# KiCad board Video Timer.kicad_pcb (continued)
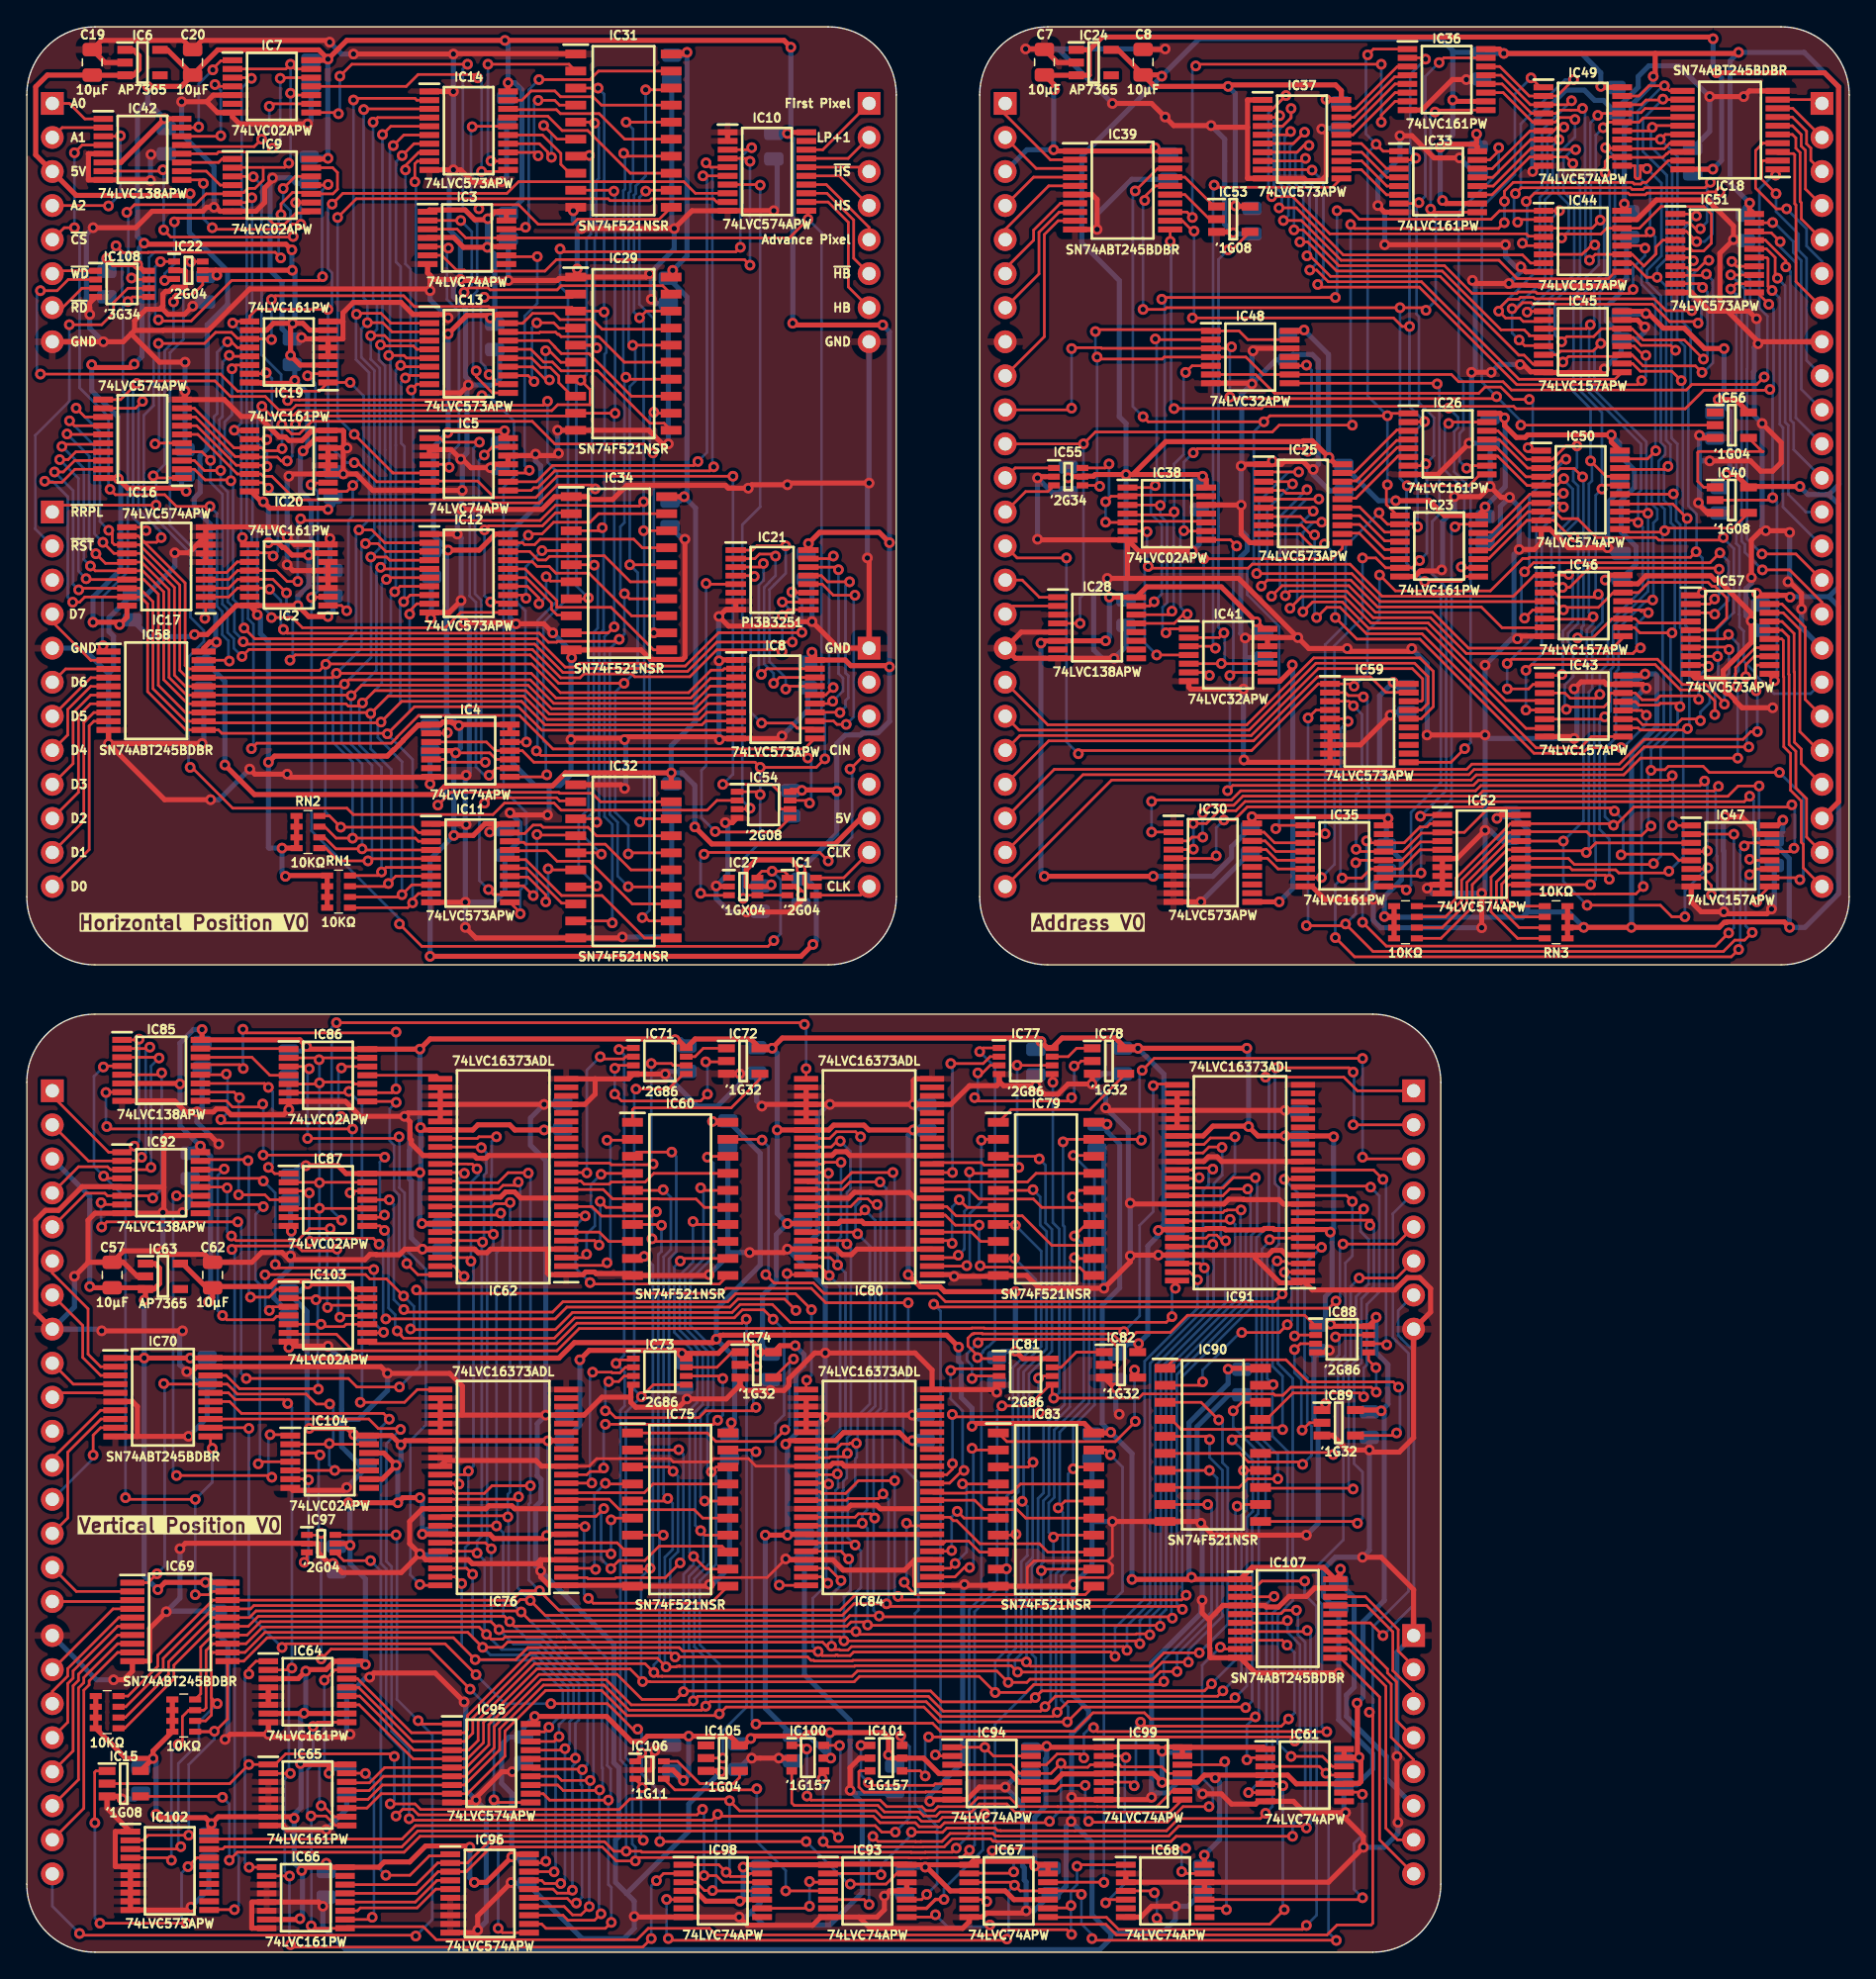
[diagram p0: board, top side]
## Routing (per net, layer and track width the routed paths; a pad name or vN(x,y) marks a point on that pad's centre or on a via; arc(x,y) is an arc through that point) (continued)
  Bottom w0.2: v1(42.8,66.8) 41.8,65.8 v1(41.8,58.14)
/Vertical Position/Sync Start D9: length 16.7
  Top w0.2: 49.22,66.16 48.24,66.16 48.1,66.3 v1(46.61,66.3) ; v1(46.75,58.8) 46.69,58.75 43.62,58.75 43.5,58.87 40.32,58.87
  Bottom w0.2: v1(46.61,66.3) 46.61,58.94 v1(46.75,58.8)
/Vertical Position/TC_{0123}: length 13.8
  Top w0.2: v1(21.97,10.92) 22.13,10.92 22.95,10.1 23.88,10.1 ; v1(22.21,20.29) 22.23,20.29 22.99,21.06 23.88,21.06
  Bottom w0.2: v1(21.97,10.92) 21.84,11.05 21.84,13.94 22.21,14.31 v1(22.21,20.29)
/Vertical Position/TC_{4567}: length 14.5
  Top w0.2: IC66.10 25.62,2.44 v1(25.78,2.6) ; 23.88,13.35 25.26,13.35 v1(25.27,13.33)
  Bottom w0.2: v1(25.78,2.6) 25.91,2.73 25.91,12.7 v1(25.27,13.33)
/Vertical Position/Vertical Blank: length 28.3
  Top w0.2: v1(82.65,12.42) 82.38,12.68 80.37,12.68 ; v1(94.06,22.91) 93.7,23.27 IC107.8 ; v1(94.17,17.4) 93.63,16.86 83.43,16.86 v1(83.13,17.16)
  Bottom w0.2: v1(94.06,22.91) 94.62,22.36 94.62,17.84 v1(94.17,17.4) ; v1(83.13,17.16) 82.78,16.81 82.78,12.54 v1(82.65,12.42)
/Vertical Position/Vertical Blank _{OUT}: length 17.9
  Top w0.2: J7.7 102.3,8.38 101.44,9.25 101.44,19.83 98.65,22.62 IC107.12
/Vertical Position/Vertical Sync: length 34.4
  Top w0.2: 86.25,12.03 85.5,12.03 84.32,10.85 79.91,10.85 79.9,10.86 78.59,10.86 78.59,10.86 76.94,10.86 76.94,10.86 74.04,10.86 73.39,11.51 70.99,11.51 70.33,10.86 68.01,10.86 67.71,10.56 67.11,10.56 66.81,10.86 64.18,10.86 63.69,11.35 58.53,11.35 v1(58.23,11.65) ; IC100.1 57.94,15.43 v1(58.21,15.16)
  Bottom w0.2: v1(58.21,15.16) 58.23,15.14 v1(58.23,11.65)
/Vertical Position/Vertical Sync _{OUT}: length 31.3
  Top w0.2: 97.66,24.57 100.27,24.57 v1(101.22,23.62)
  Bottom w0.2: v1(101.22,23.62) 103.52,25.93 103.52,44.84 102.6,45.76 102.6,45.77 102.35,46.01 102.35,47.87 J12.7
/Vertical Position/Vertical Sync _{SEL}: length 62.8
  Top w0.2: v1(59.37,12.95) 59.49,13.08 IC100.4 ; v1(59.44,8.25) 59.83,7.86 66.16,7.86 66.18,7.85 66.89,7.85 66.9,7.86 68.48,7.86 69.08,8.46 71.94,8.46 72.13,8.27 72.35,8.27 72.36,8.26 85.39,8.26 85.78,8.65 v1(94.47,8.65) ; 90.6,25.26 93.62,25.26 93.87,25.51 v1(94.76,25.51)
  Bottom w0.2: v1(94.47,8.65) 94.47,9.51 95.41,10.45 95.41,23.13 94.86,23.68 94.86,25.4 v1(94.76,25.51) ; v1(59.37,12.95) 59.44,12.89 v1(59.44,8.25)
/Vertical Position/Write Back Porch End High: length 48
  Top w0.2: IC84.25 58.16,42.63 v1(58.2,42.67) ; v1(58.57,47.93) 57.37,49.13 52.91,49.13 52.31,48.52 40.02,48.52 39.24,47.75 28.33,47.75 v1(28.14,47.94) ; IC87.11 v1(27.05,56.13)
  Bottom w0.2: v1(28.14,47.94) 27.39,48.69 27.39,55.79 v1(27.05,56.13) ; v1(58.2,42.67) 58.57,43.03 v1(58.57,47.93)
/Vertical Position/Write Back Porch End High ~{CS}: length 28.4
  Top w0.2: v1(24.13,56.66) 24.26,56.78 IC87.12 ; v1(5.91,64.13) 5.93,64.16 7.11,64.16 ; v1(24.32,61.42) 6.15,61.42 v1(5.97,61.59)
  Bottom w0.2: v1(24.13,56.66) 24.26,56.78 24.26,61.36 v1(24.32,61.42) ; v1(5.97,61.59) 5.91,61.66 v1(5.91,64.13)
/Vertical Position/Write Back Porch End Low: length 61.4
  Top w0.2: v1(56.16,27.38) 56.18,27.37 IC84.48 ; v1(26.69,53.85) 26.36,54.18 IC87.8 ; v1(27.65,46.35) 27.95,46.05 27.95,45.98 28.13,45.8 39.37,45.8 40.89,47.33 52.81,47.33 53.41,47.93 55,47.93 v1(55.7,47.22)
  Bottom w0.2: v1(56.16,27.38) 55.88,27.67 55.88,39.45 56.52,40.09 56.52,43.96 56.52,43.96 56.52,44.14 56.52,44.14 56.52,46.4 v1(55.7,47.22) ; v1(26.69,53.85) 26.99,53.55 26.99,48.06 27.49,47.56 27.49,46.5 v1(27.65,46.35)
/Vertical Position/Write Back Porch End Low ~{CS}: length 23.9
  Top w0.2: v1(17.61,63.27) 17.39,63.05 15.35,63.05 14.89,63.51 IC85.9 ; v1(17.64,59.47) 26.56,59.47 v1(26.71,59.31) ; IC87.9 26.54,54.83 v1(26.69,54.99)
  Bottom w0.2: v1(17.61,63.27) 17.65,63.23 17.65,59.48 v1(17.64,59.47) ; v1(26.69,54.99) 26.35,55.33 26.35,58.95 v1(26.71,59.31)
/Vertical Position/Write Back Porch Start High: length 58.2
  Top w0.2: v1(58.17,65.91) 58.17,65.15 ; v1(58.04,69.21) 57.91,69.34 v1(23.11,69.34) ; 19.64,54.74 23.37,54.74 v1(23.5,54.61)
  Bottom w0.2: v1(23.5,54.61) 22.75,55.35 22.75,68.98 v1(23.11,69.34) ; v1(58.17,65.91) 58.17,69.09 v1(58.04,69.21)
/Vertical Position/Write Back Porch Start High ~{CS}: length 14.2
  Top w0.2: v1(15.88,63.75) 15.47,64.16 IC85.10 ; v1(15.81,56.5) 17.77,56.5 18.13,56.13 IC87.4
  Bottom w0.2: v1(15.81,56.5) 15.81,63.69 v1(15.88,63.75)
/Vertical Position/Write Back Porch Start Low: length 52.5
  Top w0.2: v1(26.29,52.82) 25.86,53.25 21.5,53.25 21.27,53.02 v1(21.13,53.02) ; v1(57.4,47.88) 56.56,48.73 53.07,48.73 52.47,48.12 40.31,48.12 39.43,47.24 v1(26.79,47.24) ; IC87.3 20.94,56.78 v1(21.08,56.64) ; IC80.48 56.82,50.55 v1(56.74,50.63)
  Bottom w0.2: v1(57.4,47.88) 56.74,48.54 v1(56.74,50.63) ; v1(26.29,52.82) 26.59,52.52 26.59,47.44 v1(26.79,47.24) ; v1(21.13,53.02) 21.08,53.08 v1(21.08,56.64)
/Vertical Position/Write Back Porch Start Low ~{CS}: length 13.1
  Top w0.2: v1(18.03,64.52) 17.74,64.81 IC85.11 ; IC87.1 18.5,58.08 v1(18.03,58.55)
  Bottom w0.2: v1(18.03,58.55) 18.35,58.87 18.35,64.2 v1(18.03,64.52)
/Vertical Position/Write Flags: length 66.9
  Top w0.2: v1(23.15,52.45) 23.02,52.32 20.54,52.32 20.18,52.69 15.56,52.69 v1(15.3,52.43) ; IC103.11 23.49,47.5 v1(23.37,47.37) ; v1(15.49,3.17) 13.64,3.17
  Bottom w0.2: v1(15.49,3.17) 15.81,3.49 15.81,7.15 15.51,7.45 15.51,52.22 v1(15.3,52.43) ; v1(23.37,47.37) 23.24,47.5 23.24,52.36 v1(23.15,52.45)
/Vertical Position/Write Flags ~{CS}: length 22.5
  Top w0.2: IC92.12 14.89,57.08 v1(14.95,57.02) ; v1(15.27,53.43) 15.62,53.09 20.21,53.09 21.09,53.97 v1(22.64,53.97) ; v1(22.44,48.1) 22.61,48.26 25.3,48.26
  Bottom w0.2: v1(15.27,53.43) 14.95,53.75 v1(14.95,57.02) ; v1(22.64,53.97) 22.42,53.75 22.42,48.12 v1(22.44,48.1)
/Vertical Position/Write Front Porch Start High: length 34.6
  Top w0.2: v1(24.04,64.21) 23.95,64.12 IC86.6 ; IC76.25 29.15,41.97 28.19,41.02 v1(24.89,41.02)
  Bottom w0.2: v1(24.89,41.02) 25.02,41.15 25.02,63.24 v1(24.04,64.21)
/Vertical Position/Write Front Porch Start High ~{CS}: length 7.1
  Top w0.2: 12.96,66.76 16.8,66.76 18.15,65.42 IC86.4
/Vertical Position/Write Front Porch Start Low: length 50.3
  Top w0.2: v1(29.34,27.43) 29.4,27.37 IC76.48 ; v1(27.78,60.83) 27.66,60.71 v1(20.95,60.71) ; v1(21.08,65.91) 20.91,66.07 IC86.3
  Bottom w0.2: v1(29.34,27.43) 28.62,28.15 28.62,38.16 29.78,39.32 29.78,50.94 28.19,52.53 28.19,56.64 27.81,57.02 27.81,60.8 v1(27.78,60.83) ; v1(21.08,65.91) 20.95,65.79 v1(20.95,60.71)
/Vertical Position/Write Front Porch Start Low ~{CS}: length 6.5
  Top w0.2: IC85.15 19.5,67.41
/Vertical Position/Write Interrupt High: length 84.6
  Top w0.2: v1(81.88,46.29) 81.64,46.53 71.49,46.53 71.45,46.56 70.54,46.56 70.5,46.53 41.23,46.53 39.57,44.87 24.35,44.87 23.11,46.1 19.64,46.1 ; v1(84.07,64.64) 84.2,64.77 85.79,64.77
  Bottom w0.2: v1(84.07,64.64) 84.07,55.24 83.06,54.23 83.06,47.47 v1(81.88,46.29)
/Vertical Position/Write Interrupt High ~{CS}: length 18.2
  Top w0.2: 19.48,47.44 18.65,47.44 18.39,47.18 14.92,47.18 v1(14.61,47.5) ; IC92.14 14.68,58.38 v1(14.73,58.43)
  Bottom w0.2: v1(14.61,47.5) 14.25,47.85 14.25,57.95 v1(14.73,58.43)
/Vertical Position/Write Interrupt Low: length 79.5
  Top w0.2: v1(85.72,49.53) 85.79,49.59 85.79,50.17 ; v1(17.78,50.54) 17.8,50.55 25.28,50.55 25.6,50.23 26.84,50.23 v1(28.12,48.95) ; v1(18.1,47.88) 18.37,48.15 IC103.3 ; v1(85.47,47.41) 85.05,46.99 56.98,46.99 55.64,48.33 53.24,48.33 52.64,47.72 40.73,47.72 39.45,46.44 28.69,46.44 v1(28.64,46.5)
  Bottom w0.2: v1(85.47,47.41) 85.47,49.28 v1(85.72,49.53) ; v1(28.12,48.95) 28.89,48.18 28.89,46.76 v1(28.64,46.5) ; v1(17.78,50.54) 17.78,50 17.8,49.98 17.8,48.18 v1(18.1,47.88)
/Vertical Position/Write Interrupt Low ~{CS}: length 16.8
  Top w0.2: 13.06,59.13 16.44,59.13 v1(16.51,59.05) ; IC103.1 18.67,49.45 18.09,48.87 v1(16.69,48.87)
  Bottom w0.2: v1(16.69,48.87) 16.57,48.99 16.57,58.99 v1(16.51,59.05)
/Vertical Position/Write Sync Start High: length 5.6
  Top w0.2: IC62.25 30.59,65.42 IC86.11
/Vertical Position/Write Sync Start High ~{CS}: length 20.6
  Top w0.2: IC85.12 14.84,65.46 v1(14.89,65.51) ; v1(23.48,65.97) 23.59,66.07 IC86.12 ; v1(23.45,62.35) 22.97,61.87 14.73,61.87 v1(14.48,62.12)
  Bottom w0.2: v1(14.89,65.51) 14.99,65.42 14.99,62.63 v1(14.48,62.12) ; v1(23.48,65.97) 23.26,65.74 23.26,62.54 v1(23.45,62.35)
/Vertical Position/Write Sync Start Low: length 17.8
  Top w0.2: IC86.8 27.5,63.47 v1(27.57,63.4) ; IC62.48 29.19,50.55 v1(28.36,51.37)
  Bottom w0.2: v1(28.36,51.37) 28.36,51.72 27.79,52.29 27.79,56.48 27.41,56.86 27.41,60.21 27.09,60.54 27.09,62.92 v1(27.57,63.4)
/Vertical Position/Write Sync Start Low ~{CS}: length 24.2
  Top w0.2: v1(27.56,68.64) 27.5,68.58 16.4,68.58 v1(16.13,68.85) ; v1(16.16,65.93) 15.87,66.21 13.06,66.21 ; IC86.9 27.28,64.12 v1(27.56,64.4)
  Bottom w0.2: v1(27.56,64.4) 27.56,64.4 v1(27.56,68.64) ; v1(16.16,65.93) 16.13,65.96 v1(16.13,68.85)
/Vertical Position/~{Back Porch End}: length 89.5
  Top w0.2: 76.25,3.3 77.76,3.3 v1(77.93,3.48) ; IC68.1 78.5,6.52 v1(78.39,6.41) ; v1(21.21,10.16) 22.33,10.16 23.03,9.45 23.88,9.45 ; 23.87,1.9 29.59,1.9 30.56,0.93 45.54,0.93 46.38,1.78 50.95,1.78 51.44,1.29 72.47,1.29 72.86,1.68 77.63,1.68 v1(77.98,1.33) ; v1(21.23,1.96) 21.41,1.78 23.74,1.78 ; v1(21.36,16.84) 21.68,17.16 23.88,17.16
  Bottom w0.2: v1(21.23,1.96) 21.24,1.98 21.24,10.13 v1(21.21,10.16) 20.95,10.42 20.95,13.62 21.36,14.03 v1(21.36,16.84) ; v1(77.98,1.33) 77.93,1.38 v1(77.93,3.48) 77.93,4.6 78.39,5.05 v1(78.39,6.41)
/Vertical Position/~{Back Porch End} _{CMP}: length 38.4
  Top w0.2: IC67.12 80.38,5.22 v1(80.39,5.21) ; v1(80.87,37.11) 80.51,37.46 IC83.19
  Bottom w0.2: v1(80.39,5.21) 80.39,25.53 81.79,26.92 81.79,36.19 v1(80.87,37.11)
/Vertical Position/~{Back Porch Start}: length 23.7
  Top w0.2: v1(72.06,7.57) 72.23,7.75 v1(86.49,7.75) ; IC68.13 86.34,5.87 v1(86.2,6.01) ; v1(71.65,3.78) 71.51,3.92 IC67.5
  Bottom w0.2: v1(71.65,3.78) 71.37,4.06 71.37,6.89 v1(72.06,7.57) ; v1(86.49,7.75) 86.2,7.45 v1(86.2,6.01)
/Vertical Position/~{Back Porch Start} _{CMP}: length 100.1
  Top w0.2: v1(99.69,59.31) 99.82,59.18 J12.3 ; v1(83.25,65.79) 84.14,66.68 99.69,66.68 v1(99.69,66.67) ; v1(83.19,60.58) 83.12,60.64 IC79.19 77.53,60.64 v1(77.34,60.45) ; 70.36,5.89 73.56,5.89 v1(73.66,5.99)
  Bottom w0.2: v1(73.66,5.99) 73.66,6.96 72.26,8.36 72.26,17 75.3,20.04 75.3,21.94 75.02,22.23 75.02,28.8 75.48,29.26 75.48,33.85 75.89,34.26 75.89,39.29 77.45,40.85 77.45,54.12 77.34,54.23 v1(77.34,60.45) ; v1(99.69,66.67) v1(99.69,59.31) ; v1(83.25,65.79) 83.06,65.6 83.06,60.71 v1(83.19,60.58)
/Vertical Position/~{Clear Interrupt}: length 7
  Top w0.2: IC106.6 48.57,14.24 50.24,12.57 52.74,12.57 53.19,13.03 IC105.4
/Vertical Position/~{Enable}: length 92.9
  Top w0.2: v1(67.82,2.79) 67.65,2.62 IC93.8 ; v1(71.88,2.03) 71.93,2.08 80.54,2.08 81.33,1.29 97.05,1.29 97.79,2.03 100.33,2.03 100.46,2.16 100.46,17.65 v1(100.2,17.91)
  Bottom w0.2: J12.4 101.96,55.09 101.96,45.85 102.2,45.6 102.2,45.59 103.12,44.67 103.12,26.92 100.46,24.26 100.46,18.16 v1(100.2,17.91) ; v1(67.82,2.79) 68.71,1.9 71.75,1.9 v1(71.88,2.03)
/Vertical Position/~{Front Porch Start}: length 25
  Top w0.2: v1(93.75,12.42) 93.61,12.56 IC61.5 ; v1(84.16,4.43) 84.02,4.57 IC68.4 ; v1(84.34,2.53) 84.77,2.1 92.78,2.1 v1(93.85,3.17)
  Bottom w0.2: v1(93.85,3.17) 93.75,3.28 v1(93.75,12.42) ; v1(84.34,2.53) 84.34,4.25 v1(84.16,4.43)
/Vertical Position/~{Front Porch Start} _{CMP}: length 126.3
  Top w0.2: v1(54.42,17.02) 54.49,17.08 67.6,17.08 68.2,16.48 78.2,16.48 79.58,17.86 83.42,17.86 83.88,17.4 91.53,17.4 v1(91.69,17.56) ; IC61.2 91.22,14.51 v1(91.06,14.35) ; J12.1 99.31,64.26 98.3,65.28 v1(92.45,65.28) ; IC75.19 54.29,37.46 v1(54.42,37.34)
  Bottom w0.2: v1(92.45,65.28) 92.71,65.02 92.71,54.23 91.78,53.3 91.78,38.14 92.46,37.46 92.46,32.26 91.95,31.75 91.95,17.81 v1(91.69,17.56) 91.06,16.92 v1(91.06,14.35) ; v1(54.42,17.02) 54.12,17.32 54.12,37.04 v1(54.42,37.34)
/Vertical Position/~{Horizontal Sync}: length 9
  Top w0.2: 68.95,11.96 67.11,11.96 67.08,11.94 62.48,11.94 62.1,12.32 62.1,13.46 62.17,13.53 IC101.3
/Vertical Position/~{Interrupt}: length 61.6
  Top w0.2: 59.8,3.92 62.5,3.92 v1(62.87,3.56) ; v1(63.15,8.64) 63.52,8.26 66.33,8.26 66.34,8.25 66.72,8.25 66.73,8.26 68.31,8.26 68.91,8.86 72.11,8.86 72.3,8.67 72.51,8.67 72.52,8.66 77.48,8.66 77.49,8.66 78.79,8.66 78.79,8.66 85.23,8.66 85.97,9.4 95.38,9.4 v1(95.5,9.27) ; IC107.7 95.48,23.92 v1(95.56,24)
  Bottom w0.2: v1(62.87,3.56) 62.87,8.35 v1(63.15,8.64) ; v1(95.5,9.27) 95.81,9.58 95.81,23.75 v1(95.56,24)
/Vertical Position/~{Interrupt} _{CMP}: length 108.2
  Top w0.2: J12.2 v1(99,61.72) ; v1(92.46,10.36) 92.06,9.97 85.97,9.97 85.06,9.06 78.24,9.06 78.23,9.06 77.65,9.06 77.65,9.06 72.69,9.06 72.68,9.07 72.46,9.07 72.27,9.26 68.67,9.26 68.35,8.94 67.84,8.94 67.82,8.96 v1(66.02,8.96) ; v1(93.02,42.35) 92.97,42.29 IC90.19 ; v1(63.75,5.78) 63.66,5.87 59.8,5.87 ; v1(99,65.66) 98.68,65.98 v1(93.22,65.98)
  Bottom w0.2: v1(63.75,5.78) 63.75,6.48 66.02,8.74 v1(66.02,8.96) ; v1(92.46,10.36) 92.96,10.87 92.96,25.27 94.09,26.4 94.09,37.38 92.96,38.51 92.96,42.29 v1(93.02,42.35) 92.58,42.79 92.58,51.94 93.45,52.82 93.45,57.04 93.15,57.34 93.15,65.91 v1(93.22,65.98) ; v1(99,61.72) 99.06,61.79 99.06,65.59 v1(99,65.66)
/Vertical Position/~{Interrupt} _{OUT}: length 12.8
  Top w0.2: IC107.13 98.56,23.27 101.84,19.99 101.84,16.02 103.5,14.35 J7.5
/Vertical Position/~{Pixel CLK}: length 128.2
  Top w0.2: IC94.3 73.45,13.98 74.1,13.33 IC94.11 76.44,13.33 v1(77.19,14.09) 77.48,13.79 79.18,13.79 79.37,13.98 IC99.3 81.55,13.98 81.71,13.82 84.71,13.82 85.2,13.33 86.25,13.33 ; IC70.13 25.53,39.78 26.24,39.07 27.82,39.07 v1(27.89,39) ; v1(76.33,9.76) 76.23,9.66 70.83,9.66 68.5,9.66 68.18,9.34 68.01,9.34 67.99,9.36 66.61,9.36 66.31,9.66 65.73,9.66 63.68,9.66 63.19,10.15 51.7,10.15 v1(51.56,10.29) 51.12,9.85 44.56,9.85 44.56,9.84 42.39,9.84 42.39,9.85 28.64,9.85 v1(28.53,9.95) ; IC98.11 51.21,4.57 v1(51.18,4.6) 50.58,4.6 49.95,5.22 IC98.3
  Bottom w0.2: v1(27.89,39) 26.84,37.94 26.84,29.16 27.22,28.77 27.22,16.48 28.53,15.17 v1(28.53,9.95) ; v1(77.19,14.09) 77.19,10.62 v1(76.33,9.76) ; v1(51.18,4.6) 51.43,4.85 51.43,10.16 v1(51.56,10.29)
/Vertical Position/~{Pixel CLK} _{IN}: length 6.2
  Top w0.2: 1.9,36.82 5.51,40.43 IC70.7
/Vertical Position/~{RD}: length 46.7
  Top w0.2: v1(22.61,40.89) 21.6,40.89 20.86,41.64 15.71,41.64 14.97,42.38 10.26,42.38 v1(10.22,42.42) ; IC69.1 9.05,27.56 v1(9.72,28.23) ; 22.99,35.94 v1(22.99,35.94) 22.99,35.94 ; 22.99,35.94 IC104.10 ; 22.99,35.94 IC104.5 ; IC104.2 22.53,37.89 v1(22.58,37.94) 22.63,37.89 IC104.13
  Bottom w0.2: v1(22.61,40.89) 22.88,40.62 22.88,38.24 v1(22.58,37.94) 22.58,36.35 v1(22.99,35.94) ; v1(9.72,28.23) 10.29,28.8 10.29,42.35 v1(10.22,42.42)
/Vertical Position/~{RD}_{IN}: length 8.6
  Top w0.2: IC70.3 5.51,43.03 4.17,44.36 4.17,46.75 J11.7
/Vertical Position/~{Read Row High}: length 32.1
  Top w0.2: IC97.4 23.65,29.21 v1(25.65,29.21) ; 31.48,7.18 30.04,7.18 28.6,5.74 v1(26.8,5.74)
  Bottom w0.2: v1(26.8,5.74) 26.42,6.11 26.42,28.44 v1(25.65,29.21)
/Vertical Position/~{Read Row Low}: length 69.2
  Top w0.2: v1(3.94,1.4) 4.07,1.26 28.97,1.26 v1(29.03,1.2) ; IC97.6 v1(27.56,31.13) ; IC95.1 29.46,17.02 v1(29.21,17.27)
  Bottom w0.2: v1(27.56,31.13) 27.62,31.06 27.62,18.86 v1(29.21,17.27) 30.27,16.22 30.27,2.44 v1(29.03,1.2) ; v1(3.94,1.4) 1.9,3.43 J11.24
/Vertical Position/~{Reset _{IN}}: length 11.1
  Top w0.2: IC70.8 5.54,39.78 3.05,37.3 3.05,32.39 J11.14
/Vertical Position/~{Reset}: length 79
  Top w0.2: v1(45.89,14.86) 45.89,14.71 IC106.1 ; v1(47.24,8.25) v1(58.17,8.25) ; 65.19,5.87 64.93,5.87 64.13,5.08 v1(61.47,5.08) ; v1(45.59,16.64) 45.24,16.64 43.33,18.54 v1(39.12,18.54) ; IC70.12 16.52,39.13 v1(16.57,39.08) ; v1(19.05,22.73) 19.32,23.01 31.22,23.01 v1(33.53,20.7)
  Bottom w0.2: v1(45.59,16.64) 45.89,16.34 v1(45.89,14.86) 45.89,13.29 47.24,11.95 v1(47.24,8.25) ; v1(39.12,18.54) 35.69,18.54 v1(33.53,20.7) ; v1(19.05,22.73) 16.57,25.21 v1(16.57,39.08) ; v1(58.17,8.25) 61.34,5.08 v1(61.47,5.08)
/Vertical Position/~{Sync Start}: length 21.5
  Top w0.2: v1(99.69,4.06) 99.55,3.92 IC68.10 ; 98.34,11.94 99.53,11.94 v1(99.68,11.78)
  Bottom w0.2: v1(99.69,4.06) 99.06,4.7 99.06,8.11 99.68,8.74 v1(99.68,11.78)
/Vertical Position/~{Sync Start} _{CMP}: length 92.7
  Top w0.2: v1(93.7,49.11) 93.12,48.53 68.56,48.53 67.94,49.15 59.49,49.15 58.72,49.93 55.77,49.93 v1(55.15,50.55) ; v1(94.36,14.6) 96.7,14.6 97.45,13.86 IC61.12 ; v1(54.87,60.59) 54.82,60.64 IC60.19
  Bottom w0.2: v1(54.87,60.59) 55.35,60.11 55.35,50.75 v1(55.15,50.55) ; v1(93.7,49.11) 93.38,48.79 93.38,43.91 94.49,42.8 94.49,26.23 93.36,25.11 93.36,15.6 v1(94.36,14.6)
/Vertical Position/~{Vertical Sync}: length 33
  Top w0.2: IC100.3 57.09,11.13 57.28,10.95 63.52,10.95 64.01,10.46 66.64,10.46 66.94,10.16 67.87,10.16 68.17,10.46 70.5,10.46 71.1,11.06 73.14,11.06 73.74,10.46 76.77,10.46 76.78,10.46 79.17,10.46 79.17,10.46 79.74,10.46 79.74,10.45 85.32,10.45 86.25,11.38
/Vertical Position/~{WD}: length 69
  Top w0.2: IC86.2 21.67,66.72 v1(21.81,66.58) 21.95,66.72 IC86.13 ; IC86.10 24.48,64.77 24.33,64.91 21.91,64.91 v1(21.84,64.85) 21.76,64.77 IC86.5 ; v1(21.76,42.01) 21.73,42.04 15.88,42.04 14.88,43.03 IC70.18 ; IC103.13 21.7,48.8 v1(21.58,48.68) 21.46,48.8 IC103.2 ; IC103.10 23.83,46.85 23.66,46.67 22.13,46.67 v1(21.96,46.85) IC103.5 ; IC87.13 21.87,57.43 v1(21.84,57.4) 21.81,57.43 IC87.2 ; 25.17,55.48 21.86,55.48 v1(21.84,55.5) 21.83,55.48 IC87.5
  Bottom w0.2: v1(21.76,42.01) 21.72,42.05 21.72,46.61 v1(21.96,46.85) 21.72,47.09 21.72,48.54 v1(21.58,48.68) 21.84,48.94 v1(21.84,55.5) v1(21.84,57.4) v1(21.84,64.85) 21.84,66.55 v1(21.81,66.58)
/Vertical Position/~{WD}_{IN}: length 10.5
  Top w0.2: IC70.2 5.51,43.68 4.57,44.61 4.57,47.99 1.9,50.66 J11.6
Net-(IC60-~{OE}): length 11.8
  Top w0.2: IC72.4 54.72,65.13 52.58,62.99 45.34,62.99 45.21,62.86 45.21,61.91
Net-(IC68-1Q): length 14.8
  Top w0.2: v1(82.03,14.52) 81.92,14.63 IC99.2 ; v1(80.52,3.68) 80.76,3.92 IC68.5
  Bottom w0.2: v1(82.03,14.52) 81.95,14.44 81.95,5.11 v1(80.52,3.68)
Net-(IC68-2Q): length 16
  Top w0.2: IC68.9 89.44,3.27 v1(89.53,3.17) ; v1(89.41,14.22) 89.17,13.98 86.25,13.98
  Bottom w0.2: v1(89.41,14.22) 89.53,14.1 v1(89.53,3.17)
Net-(IC71-1Y): length 3.3
  Top w0.2: 49.22,66.81 49.87,66.81 50.49,67.43 IC72.1
Net-(IC71-2Y): length 14.7
  Top w0.2: v1(50.67,66.42) 52.15,66.42 ; v1(43.89,65.94) 44.1,66.16 IC71.3 ; v1(43.88,64.01) 44.39,63.5 50.29,63.5 v1(50.8,64.01)
  Bottom w0.2: v1(43.89,65.94) 43.89,64.02 v1(43.88,64.01) ; v1(50.67,66.42) 50.8,66.29 v1(50.8,64.01)
Net-(IC73-1Y): length 4.5
  Top w0.2: IC74.1 52.64,44.76 51.51,43.63 IC73.7
Net-(IC73-2Y): length 20.7
  Top w0.2: IC74.2 54.36,43.81 v1(54.48,43.69) ; v1(43.18,40.39) 43.43,40.39 43.94,39.88 50.16,39.88 50.67,40.39 54.16,40.39 v1(54.42,40.65) ; IC73.3 44.59,42.98 44.18,42.57 v1(43.43,42.57)
  Bottom w0.2: v1(54.48,43.69) 54.23,43.43 54.23,40.84 v1(54.42,40.65) ; v1(43.43,42.57) 43.21,42.57 43.18,42.54 v1(43.18,40.39)
Net-(IC74-Y): length 19.6
  Top w0.2: v1(57.22,44.25) 57.15,44.25 55.76,42.86 ; v1(56.58,38.97) 55.71,38.1 51.43,38.1 50.8,38.73 45.21,38.73
  Bottom w0.2: v1(57.22,44.25) 56.92,43.95 56.92,39.32 v1(56.58,38.97)
Net-(IC77-1Y): length 3.3
  Top w0.2: IC78.1 78.35,67.43 77.72,66.81 IC77.7
Net-(IC77-2Y): length 15.2
  Top w0.2: v1(70.98,65.59) 71.33,65.59 71.9,66.16 IC77.3 ; v1(70.74,63.75) 70.99,63.5 77.72,63.5 v1(77.98,63.75) ; v1(78.17,66.11) 78.32,66.11 78.7,66.48 IC78.2
  Bottom w0.2: v1(70.74,63.75) 70.98,64 v1(70.98,65.59) ; v1(78.17,66.11) 78.17,63.95 v1(77.98,63.75)
Net-(IC78-Y): length 11
  Top w0.2: IC78.4 79.35,62.86 73.46,62.86 IC79.1
Net-(IC81-1Y): length 4.4
  Top w0.2: IC82.1 78.33,44.76 77.2,43.63 IC81.7
Net-(IC81-2Y): length 18.3
  Top w0.2: IC82.2 81.24,43.81 81.41,43.99 81.41,45.15 80.84,45.73 71.25,45.73 v1(70.99,45.46) ; IC81.3 70.73,42.98 v1(70.55,42.8)
  Bottom w0.2: v1(70.55,42.8) 70.55,43.78 70.17,44.16 70.17,44.64 v1(70.99,45.46)
Net-(IC82-Y): length 15.7
  Top w0.2: 82.91,42.86 82.91,43.2 v1(82.68,43.43) ; v1(82.73,39.6) 82.73,39.58 81.24,38.09 73.16,38.09 72.51,38.73
  Bottom w0.2: v1(82.73,39.6) 82.68,39.66 v1(82.68,43.43)
Net-(IC88-1Y): length 8.6
  Top w0.2: v1(97.68,45.9) 97.82,46.04 IC88.7 ; v1(96.93,40.93) 96.67,40.67 IC89.1
  Bottom w0.2: v1(97.68,45.9) 97.95,45.62 97.95,44.58 96.93,43.55 v1(96.93,40.93)
Net-(IC88-2Y): length 9.7
  Top w0.2: IC88.3 95.05,45.39 v1(94.62,44.96) ; v1(95.19,38.95) 95.74,39.5 IC89.2
  Bottom w0.2: v1(95.19,38.95) 95.13,39.01 95.13,42.73 94.62,43.24 v1(94.62,44.96)
Net-(IC89-Y): length 25.2
  Top w0.2: v1(102.23,38.73) 102.05,38.55 IC89.4 ; IC90.1 85.59,44.2 93.98,44.2 95.63,42.54 101.99,42.54 v1(102.38,42.16)
  Bottom w0.2: v1(102.23,38.73) 102.49,38.99 102.49,42.05 v1(102.38,42.16)
Net-(IC100-S): length 55.8
  Top w0.2: IC102.18 14.62,7.69 14.78,7.85 27.99,7.85 29.18,9.04 44.89,9.04 44.89,9.05 60.09,9.05 v1(60.58,8.56) ; v1(60.66,15.42) 60.64,15.43 IC100.6
  Bottom w0.2: v1(60.58,8.56) 60.72,8.7 60.72,15.35 v1(60.66,15.42)
Net-(IC101-S): length 60.4
  Top w0.2: 13.7,8.44 28.01,8.44 29.01,9.44 44.72,9.44 44.73,9.45 63.33,9.45 63.81,8.96 v1(64.82,8.96) ; v1(65.23,16.14) 65.34,16.03 IC101.6
  Bottom w0.2: v1(65.23,16.14) 65.23,16 65.89,15.33 65.89,10.03 v1(64.82,8.96)
Net-(IC102-Q2): length 24.9
  Top w0.2: v1(12.03,6.38) 12.69,7.04 13.21,7.04 ; v1(5.08,9.65) 5.06,9.67 5.06,13.42 5.16,13.52 IC15.1 ; v1(5.46,2.16) v1(11.94,2.16)
  Bottom w0.2: v1(12.03,6.38) 11.56,5.91 11.56,2.54 v1(11.94,2.16) ; v1(5.08,9.65) 5.08,2.54 v1(5.46,2.16)
Net-(IC106-Y): length 19
  Top w0.2: IC106.4 48.37,12.11 54.4,12.11 v1(54.48,12.19) ; 59.8,4.57 v1(56.64,4.57)
  Bottom w0.2: v1(56.64,4.57) 56.64,6.1 54.48,8.25 v1(54.48,12.19)

## Copper pours and planes (outline as drawn; the poured copper is in the pictures)
/Address Position/GND on Top, Bottom: 70.99,143.76 136.14,143.76 136.14,73.41 70.99,73.41
/Horizontal Position/GND on Top, Bottom: -0.13,143.76 65.02,143.76 65.02,73.41 -0.13,73.41
/Vertical Position/GND on Top, Bottom: -0.13,70.23 105.79,70.23 105.79,-0.13 -0.13,-0.13

## Text on the board
F.Silkscreen: D7 | A0 | A1 | 5V | A2 | ~{CS} | ~{WD} | ~{RD} | GND | ~{RRPL} | ~{RST} | D6 | D5 | D4 | D3 | D2 | D1 | D0 | First Pixel | LP+1 | ~{HS} | HS | Advance Pixel | ~{HB} | HB | CIN | ~{CLK} | CLK | Vertical Position V0 | Horizontal Position V0 | Address V0
